# Altium PCB S3220A.PcbDoc (part 3 of 3) (continued)
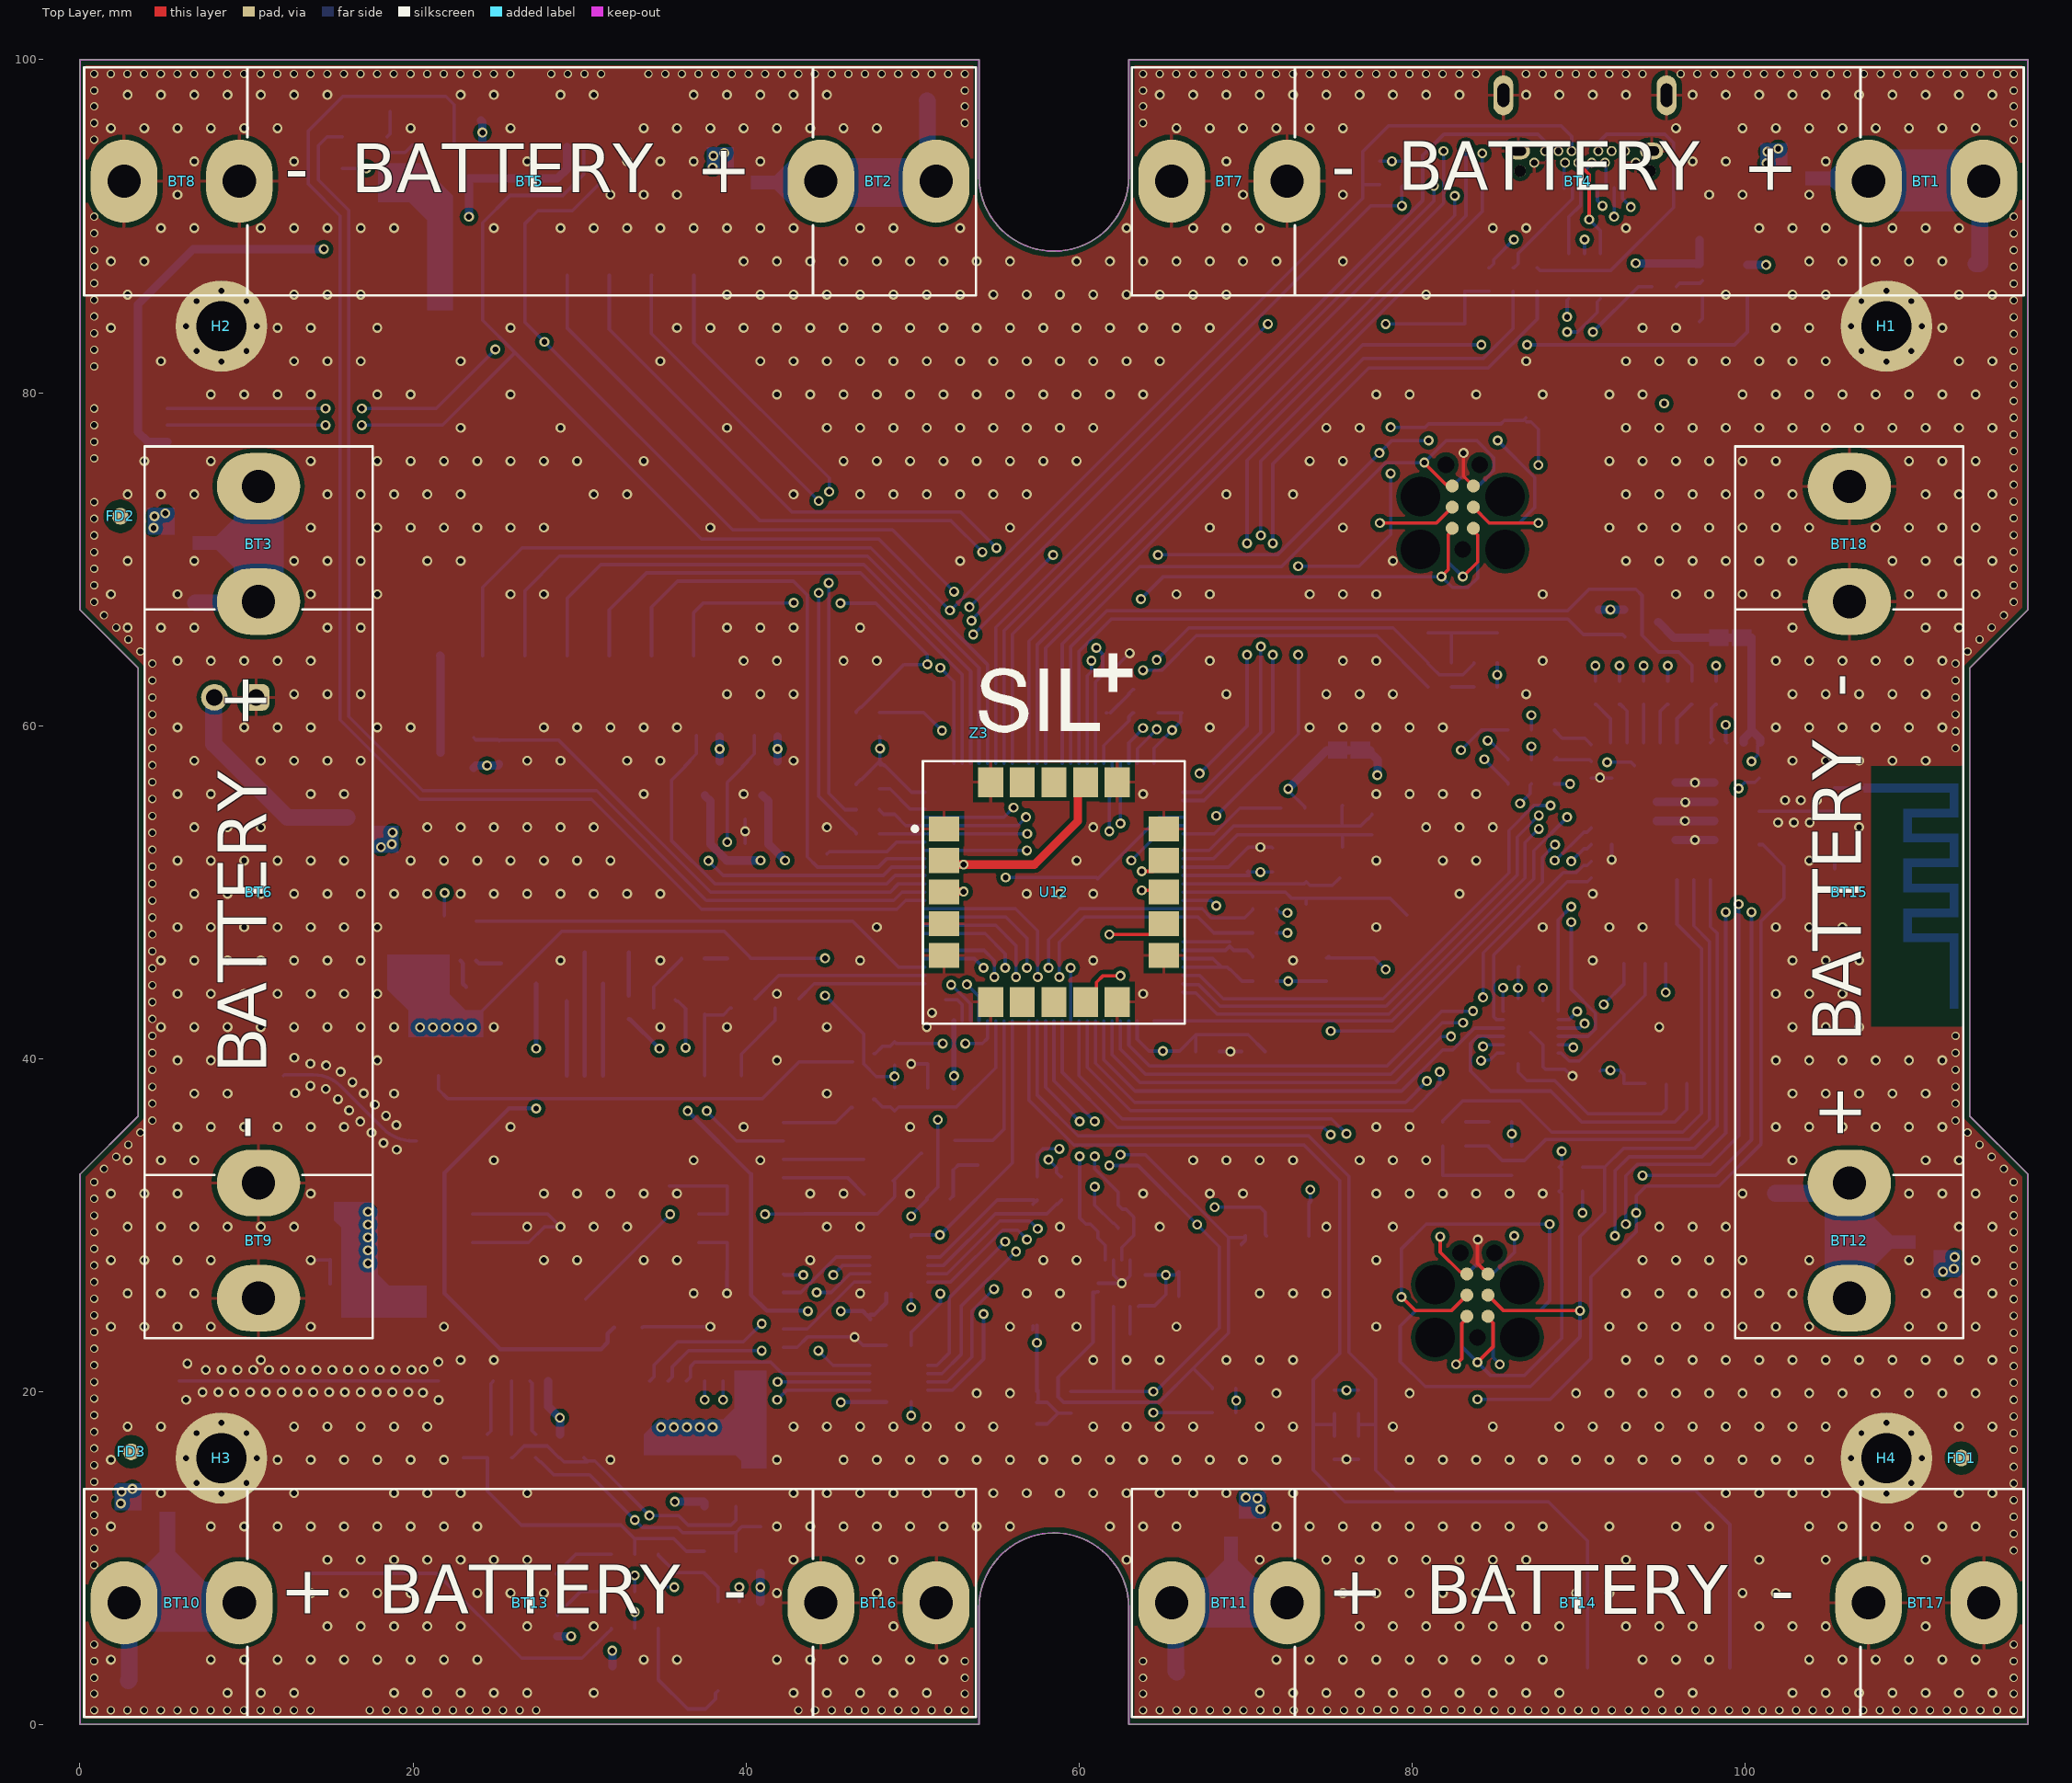
[diagram p0: Top Layer view]
## Nets (pads, with @x,y where several pads share a name; then routed paths per layer and width w, separated by ;. In a path a pad name is that pad's centre, name@x,y a point inside that pad or via, vN(x,y) a via of type N, cw(c..) or ccw(c..) an arc to the next point about the centre after c; other vN are vias at no path point) (continued)
  Bottom Layer w0.2: U3.41@57,42.262 57,37.5 59.7,34.8 73.525,34.8 75.675,32.65 75.675,22.3 74.075,20.7 74.075,18 ; C10.2@75.35,17.325 75.35,18 ; R9.1@75.35,18.675 75.35,18 ; CN6.1@90.55,3.4 90.55,11.025 88.2,13.375 75.975,13.375 74.075,15.275 74.075,18 ; 74.075,18 75.35,18
nRESET: CN12.3 PB4.2 R66.1 U11.19 | length 60.3
  Top Layer w0.2: CN12.3@84.57,25.79 85.51,24.85 v1(90.1,24.85)
  Bottom Layer w0.2: CN12.3@83.3,25.79 82.36,24.85 80.225,24.85 79.3,23.925 79.3,21.8 80.8,20.3 PB4.2@81.85,20.3 PB4.2@86,20.3 87.125,20.3 90.1,23.275 v1(90.1,24.85) 90.1,29.3 91.575,30.775 91.575,33.475 92.7,34.6 96.975,34.6 98.35,35.975 98.35,47.5 97.925,47.925 U11.19@97.925,50.725 ; R66.1@90.25,33.475 91.525,33.475
nRESET_BG95: Q14.3 U7.17 | length 4.9
  Bottom Layer w0.2: U7.17@39.725,38.975 39.725,40.275 41.75,42.3 Q14.3@41.75,43.025
nRST_CPU: C11.2 CN7.3 PB1.2 U3.14 | length 60.9
  Top Layer w0.2: CN7.3@83.695,73.125 84.645,72.175 v1(87.6,72.175)
  Internal 1 w0.2: v1(73.175,64.25) v1(73.175,69.575) ; v1(78.725,75.15) v1(78.725,77.925) ; v1(87.6,72.175) v1(87.6,75.65)
  Internal 2 w0.2: v1(68.25,49.175) v1(68.25,54.575)
  Bottom Layer w0.2: U3.14@66.238,49.5 67.925,49.5 v1(68.25,49.175) ; v1(68.25,54.575) 73.175,59.5 v1(73.175,64.25) ; v1(73.175,69.575) 76.825,69.575 78.725,71.475 78.725,72.175 ; v1(78.725,75.15) 78.725,72.175 ; v1(78.725,77.925) 80.8,77.925 PB1.2@81,78.125 PB1.2@85.15,78.125 85.35,78.125 85.55,78.325 86.675,78.325 C11.2@86.738,78.388 ; CN7.3@82.425,73.125 81.475,72.175 78.725,72.175 ; C11.2@86.85,78.5 C11.2@86.738,78.388 ; v1(87.6,75.65) 87.6,77.8 87.15,78.25 86.875,78.25 C11.2@86.738,78.388
PON_TRIG_BG95: Q15.3 R49.1 U7.96 | length 24.4
  Internal 1 w0.2: v1(35.45,30.65) v1(41.15,30.65)
  Bottom Layer w0.2: U7.96@30.375,25.55 35.45,30.625 v1(35.45,30.65) ; v1(41.15,30.65) 43.5,30.65 43.525,30.675 47.9,30.675 48.925,31.7 R49.1@48.925,32.6 ; R49.1@48.838,32.638 49.175,32.975 50.5,34.3 Q15.3@50.55,34.3
PSM_IND_BG95: Q13.1 U7.1 | length 26.9
  Bottom Layer w0.2: U7.1@21.525,38.975 21.525,38.15 22.075,37.6 41,37.6 43.2,39.8 Q13.1@46.425,39.8
QWIIC_PWR_CTRL: Q8.1 R5.1 U3.62 | length 88.5
  Bottom Layer w0.2: Q8.1@22.475,94.875 22.475,96.35 22.475,97.3 21.975,97.8 15.8,97.8 13.725,95.725 13.725,92.525 15.625,90.625 15.625,60.35 20.4,55.575 30.725,55.575 37.325,48.975 49.075,48.975 49.6,49.5 U3.62@50.762,49.5
QWIIC_VDD: CN3.2 CN4.2 Q8.3 | length 41.5
  Internal 1 w0.5: v1(14.65,88.625) 21.425,88.625 v1(23.363,90.563)
  Bottom Layer w0.5: CN4.2@5.25,77.05 4.075,77.05 3.475,77.65 3.475,85.3 6.8,88.625 v1(14.65,88.625) v1@14.675,88.625 ; v1@23.375,90.563 Q8.3@23.375,92.875 28.675,92.875 29.25,93.45 CN3.2@29.25,94.75
RTS_BG95: U7.37 U8.5 | length 13.6
  Internal 1 w0.2: v1(40.95,22.45) v1(44.35,22.45)
  Bottom Layer w0.2: U7.37@35.325,20.625 35.575,20.875 35.575,21.217 35.575,21.475 36.55,22.45 v1(40.95,22.45) ; v1(44.35,22.45) 45.224,21.576 U8.5@47.427,21.576
RXD_BG95: U7.34 U8.2 | length 10.1
  Internal 1 w0.2: v1(38.625,19.5) v1(41.875,19.5)
  Bottom Layer w0.2: v1@38.625,19.525 U7.34@38.625,20.625 ; v1(41.875,19.5) 42.451,20.076 U8.2@47.427,20.076
RXD_GNSS_BG95: U7.28 U9.5 | length 6.1
  Bottom Layer w0.2: U7.28@42.25,25.95 43.3,25.95 45.426,28.076 U9.5@47.427,28.076
STATUS_BG95: Q11.1 U7.20 | length 4.5
  Bottom Layer w0.2: U7.20@42.25,36.15 45.399,36.15 46.299,37.05 Q11.1@46.375,37.05
SWDCLK: CN12.4 U11.11 | length 63.6
  Top Layer w0.2: v1@79.4,25.675 80.225,24.85 82.36,24.85 CN12.4@83.3,25.79
  Internal 1 w0.2: v1(88.275,30.05) v1(92.85,30.05) ; v1(99.625,49.275) v1(99.625,56.225)
  Bottom Layer w0.2: v1(79.375,25.675) 79.35,25.7 79.375,25.725 79.375,28.575 80.85,30.05 v1@88.25,30.05 ; CN12.4@84.57,25.79 85.51,24.85 87.675,24.85 88.275,25.45 88.275,29.975 v1@88.275,30 ; v1@88.25,30.025 v1(88.275,30.05) ; v1(92.85,30.05) 92.85,32.95 93.55,33.65 97.925,33.65 99.625,35.35 v1(99.625,49.275) ; v1(99.625,56.225) 100,56.6 100.6,56.6 U11.11@100.85,56.85
SWDCLK_CPU: CN7.4 U3.76 | length 63.5
  Top Layer w0.2: v1(51.675,63.475) v1@51.775,63.375 ; v1(78.075,72.175) 81.475,72.175 CN7.4@82.425,73.125
  Internal 1 w0.2: v1(58.45,70.25) v1(64.75,70.25) ; v1(78.05,76.375) 78.05,72.2 v1(78.075,72.175) ; v1(81,77.125) v1(85.15,77.125)
  Internal 2 w0.2: v1(51.675,63.475) v1@53.65,65.45
  Bottom Layer w0.2: v1(51.675,63.475) 52.5,62.65 U3.76@52.5,57.738 ; v1@53.675,65.475 v1(58.45,70.25) ; v1@64.925,70.275 71.95,70.275 v1(78.05,76.375) ; v1@78.045,76.375 78.795,77.125 v1(81,77.125) ; CN7.4@83.695,73.125 84.645,72.175 86.45,72.175 87.375,73.1 87.375,74.9 v1(85.15,77.125)
  other v1: 53.65,65.475
SWDIO: CN12.2 R67.1 U11.15 | length 62.1
  Top Layer w0.2: v1(82.65,21.625) 83,21.975 83,24.084 83.3,24.384 CN12.2@83.3,24.414
  Internal 1 w0.2: v1(82.65,21.625) 83.325,20.95 83.935,20.95 ; v1(83.935,19.525) 83.935,20.95 ; v1(85.275,21.625) 84.6,20.95 83.935,20.95 ; v1(90.25,30.725) v1(93.475,30.725)
  Bottom Layer w0.2: v1(83.935,19.525) 88.3,19.525 90.75,21.975 90.75,26.875 93.475,29.6 v1(93.475,30.725) 93.475,31.75 94.075,32.35 98.45,32.35 100.975,34.875 100.975,48.25 102.35,49.625 102.35,51.575 101.075,52.85 U11.15@100.85,52.85 ; CN12.2@84.57,24.414 84.875,24.109 84.875,22.05 85.275,21.65 v1(85.275,21.625) ; v1(90.25,30.725) R67.1@90.25,32.025
SWDIO_CPU: CN7.2 U3.72 | length 48.5
  Top Layer w0.2: v1(81.775,68.95) 82.175,69.35 82.175,71.446 CN7.2@82.425,71.696
  Internal 2 w0.2: v1(56.075,55.075) 56.075,58.175 63.725,65.825 v1(63.725,67.6)
  Bottom Layer w0.2: U3.72@50.762,54.5 55.5,54.5 v1(56.075,55.075) ; v1(63.725,67.6) 65.075,68.95 v1(81.775,68.95) 82.425,68.3 83.375,68.3 83.945,68.87 83.945,71.446 CN7.2@83.695,71.696
SWO: CN12.6 U11.8 | length 54.4
  Top Layer w0.2: v1(81.7,29.3) 81.7,28.375 82.903,27.172 83.188,27.172 CN12.6@83.3,27.06
  Internal 1 w0.2: v1(81.7,29.3) 82.425,30.025 85.475,30.025 v1(86.15,29.35) v1(92.2,29.35) ; v1(98.85,48.8) v1(98.85,60.05)
  Bottom Layer w0.2: CN12.6@84.57,27.06 84.682,27.172 84.967,27.172 86.17,28.375 v1@86.17,29.325 ; v1(92.2,29.35) 92.2,33.25 93.05,34.1 97.425,34.1 98.85,35.525 v1(98.85,48.8) ; v1(98.85,60.05) 98.85,59.05 U11.8@98.925,58.975
SWO_CPU: CN7.6 U3.89 | length 43.3
  Top Layer w0.2: v1@80.725,75.8 v1(80.75,75.8) 80.75,75.775 82.018,74.507 82.313,74.507 CN7.6@82.425,74.395
  Bottom Layer w0.2: U3.89@59,57.738 59,64.9 63.65,69.55 72.175,69.55 78.425,75.8 v1(80.75,75.8) 82.075,77.125 83.9,77.125 84.925,76.1 84.925,75.325 84.107,74.507 83.807,74.507 CN7.6@83.695,74.395
TXD_BG95: U7.35 U8.3 | length 11.5
  Internal 1 w0.2: v1(37.525,19.5) 38.6,20.575 v1(41.9,20.575)
  Bottom Layer w0.2: v1(37.525,19.5) U7.35@37.525,20.625 ; v1(41.9,20.575) 47.376,20.575 47.401,20.55 U8.3@47.427,20.576
TXD_GNSS_BG95: U7.27 U9.4 | length 5.4
  Internal 1 w0.2: v1(43.45,27) v1(45.25,27)
  Bottom Layer w0.2: U7.27@42.25,27.05 42.3,27 v1(43.45,27) ; v1(45.25,27) 45.826,27.576 U9.4@47.427,27.576
USB_C_DM: CN2.A7 CN2.B7 U1.6 | length 7.7
  Top Layer w0.2: CN2.B7@89.998,93.752 90.65,93.1 v1(90.65,90.4)
  Internal 2 w0.2: CN2.B7@89.998,93.752 CN2.B7@89.998,93.815
  Bottom Layer w0.2: v1@90.648,90.575 CN2.A7@90.648,92.29 ; v1(90.65,90.4) 91.325,89.725 U1.6@91.325,88.35
USB_C_DP: CN2.A6 CN2.B6 U1.4 | length 6
  Bottom Layer w0.2: U1.4@89.425,88.35 89.425,90.55 90.148,91.273 CN2.A6@90.148,92.29 90.148,93.098 90.798,93.748 CN2.B6@90.798,93.815
USB_DM: R14.1 R69.1 U1.1 | length 28
  Internal 1 w0.2: v1(87.175,60.625) 89.325,62.775 v1@89.325,83.625
  Bottom Layer w0.2: R14.1@87.175,59.75 v1(87.175,60.625) ; v1(89.325,83.65) 89.95,83.65 91.125,84.825 91.125,85.108 91.125,85.45 U1.1@91.325,85.65
USB_DP: R15.1 R70.1 U1.3 | length 29.4
  Internal 1 w0.2: v1(87.175,58.75) 89.875,61.45 89.875,83.975 89.325,84.525 v1(89.325,84.55)
  Bottom Layer w0.2: R15.1@87.175,58 R15.1@87.175,57.95 87.175,58.85 v1(87.175,58.75) ; v1(89.325,84.55) 89.325,85.5 89.3,85.525 U1.3@89.425,85.65
USB_INT: R11.1 U3.4 | length 26.9
  Internal 2 w0.2: v1@51.775,59.75 v1(51.775,59.7) 51.775,58.35 55.6,54.525 v1(55.6,50.875)
  Bottom Layer w0.2: R11.1@48.025,60.8 50.675,60.8 v1(51.775,59.7) ; v1@55.637,50.912 v1(55.6,50.875) 61.05,50.875 61.125,50.8 64.825,54.5 U3.4@66.238,54.5
USB_VBUS: R1.2 R13.1 R68.1 | length 36.3
  Internal 1 w0.2: v1(86.5,55.325) 86.5,56.75 90.425,60.675 90.425,83.2 v1(90.875,83.65)
  Bottom Layer w0.2: v1(86.5,55.325) 87.092,55.917 87.092,56.417 R13.1@87.175,56.5 ; v1(90.875,83.65) 93.6,86.375 R1.2@94.425,86.375
USIM_VDD: C29.2 C30.2 CN10.C1 R39.1 U5.C1 U6.1 U7.43 | length 39.5
  Internal 1 w0.5: v1(28.825,18.425) 28.825,13.325 ; v1(31.975,4.425) 30.375,4.425 v1(29.5,5.3) 29.5,5.327 28.825,6.002 28.825,13.325 ; v1(35.725,13.375) v1@35.74,13.375 ; v1(40.865,8.25) v1@35.74,13.375 ; 28.825,13.325 28.875,13.375 v1@35.74,13.375
  Bottom Layer w0.2: C30.2@40.865,9.09 C30.2@40.9,9.125
  Bottom Layer w0.5: U7.43@28.125,20.625 28.125,19.1 28.825,18.4 R39.1@28.825,17.425 ; CN10.C1@28.675,5.3 v1(29.5,5.3) ; C29.2@31.975,3.5 v1(31.975,4.425) ; v1(35.725,13.375) 37.45,13.375 37.5,13.325 U6.1@37.5,13.1 ; U5.C1@40.865,7.375 v1(40.865,8.25) C30.2@40.865,9.09
VBUS_AIN: M1.9 R10.1 R11.2 R12.2 TP3.1 U3.36 | length 93.6
  Top Layer w0.2: v1(42.875,67.375) v1@42.888,67.363 ; v1@45.663,67.363 v1(45.675,67.35)
  Internal 1 w0.2: v1@42.888,67.363 v1@45.663,67.363 ; v1(71.35,84.125) v1(78.425,84.125)
  Internal 2 w0.2: v1@53.646,66.421 50.875,63.65 50.875,58.3 55,54.175 55,49.95 v1(59.5,45.45)
  Bottom Layer w0.2: M1.9@36.87,64.19 36.87,66.795 37.45,67.375 v1(42.875,67.375) ; v1(45.675,67.35) 47.8,67.35 50.9,64.25 v1(50.9,63.675) ; R11.2@46.625,60.8 46.625,60.85 46.875,61.1 46.925,61.1 49.5,63.675 v1(50.9,63.675) ; v1@50.875,63.65 v1(50.9,63.675) ; v1@53.55,66.325 v1(71.35,84.125) ; U3.36@59.5,42.262 v1(59.5,45.45) ; v1(78.425,84.125) TP3.1@83.175,84.125 R12.2@83.175,86.1 R10.1@84.625,86.1
  other v1: 53.55,66.3
VBUS_C: C8.2 CN2.A4 CN2.A9 CN2.B4 CN2.B9 R1.1 R2.1 R10.2 U1.5 U2.6 | length 27.9
  Internal 2 w0.2: v1(86.125,89.2) v1(90.375,89.2)
  Internal 2 w0.5: CN2.B9@89.198,93.815 89.198,92.675 ; CN2.B4@91.598,93.815 91.648,93.765 91.598,93.715 91.598,93.098 91.175,92.675 89.198,92.675 ; v1(93.448,87.775) 91.8,87.775 89.198,90.377 89.198,92.675
  Bottom Layer w0.2: R10.2@84.625,87.5 84.662,87.5 84.912,87.75 84.912,87.987 v1(86.125,89.2) ; CN2.A4@89.148,92.29 89.148,93.765 CN2.B9@89.198,93.815 ; U1.5@90.375,88.35 v1(90.375,89.2) ; CN2.B4@91.598,93.815 91.648,93.765 CN2.A9@91.648,92.29
  Bottom Layer w0.5: v1(93.448,87.775) R1.1@94.425,87.775 97.025,87.775 97.075,87.725 97.275,87.725 C8.2@97.275,89.175
VBUSC_PWR_CTRL: U2.3 U3.5 | length 66.2
  Internal 1 w0.2: v1(70.1,64.25) v1(70.1,70.95) ; v1(84.175,82.875) v1(86.925,82.875)
  Internal 2 w0.2: v1(63.15,51.9) 63.15,53.025 v1(67.25,57.125)
  Bottom Layer w0.2: v1(63.15,51.9) 65.25,54 U3.5@66.238,54 ; v1(67.25,57.125) 70.1,59.975 v1(70.1,64.25) ; v1(70.1,70.95) 70.1,75.925 77.05,82.875 v1(84.175,82.875) ; v1(86.925,82.875) 99.375,82.875 100.15,83.65 U2.3@100.15,85.775
VCC_M1: C28.2 M1.2 R28.1 U4.6
VDD: C17.2 C18.2 C19.2 C20.2 C21.2 C22.2 C23.2 C24.2 C25.2 C26.2 C55.1 C56.2 C57.1 C58.1 C59.2 C60.2 CN7.1 FB1.2 Q1.2 Q2.2 Q3.2 Q4.2 Q5.2 Q6.2 Q7.2 Q8.2 Q9.2 Q16.2 Q17.2 Q18.2 R3.2 R5.2 R6.2 R7.2 R8.2 R9.2 R18.2 R22.1 R23.1 R24.2 R26.2 R52.2 R53.2 R56.2 R71.1 R72.2 R73.2 R74.1 TP1.1 U2.1 U3.11 U3.28 U3.50 U3.75 U3.100 U4.1 U10.1 U13.8 U14.2 U14.5 U14.6 U14.8 U15.1 U15.14 U16.16 U17.3 U17.7 U17.8 Z1.1 Z1.2 | length 97.7
  Top Layer w0.2: v1@83.07,68.95 83.945,69.825 83.945,71.446 CN7.1@83.695,71.696
  Bottom Layer w0.2: U4.1@15.75,93.475 v1@17.225,93.475 ; U10.1@21.9,48.575 v1(21.9,49.95) ; R18.2@46.625,56.45 46.625,56.5 46.875,56.75 46.925,56.75 48.025,57.85 C24.2@48.025,57.9 ; C23.2@48.025,59.35 48.05,59.325 48.05,57.85 C24.2@48.25,57.65 ; C24.2@48.05,57.65 C24.2@48.25,57.65 ; C24.2@48.3,57.6 C24.2@48.25,57.65 ; C24.2@48.3,57.65 C24.2@48.25,57.65 ; C24.2@48.325,57.625 48.35,57.6 49.95,56 U3.75@50.762,56 ; C55.1@57.225,23.7 57.25,23.725 C55.1@57.25,23.95 ; U14.8@57.475,18.05 58.1,18.05 58.75,18.7 ; U14.6@57.475,19.35 57.55,19.425 U14.5@57.55,20 ; C55.1@57.475,23.975 57.475,23.775 57.475,22.2 57.475,20.075 U14.5@57.475,20 U14.5@57.55,20.075 ; U14.6@57.55,19.35 58.1,19.35 58.75,18.7 ; U14.2@59.525,18.7 58.75,18.7 ; v1(60.95,32.3) R71.1@60.95,31.25 60.95,31.2 62.05,30.1 62.1,30.1 62.35,29.85 R74.1@62.35,29.8 ; U3.28@63.5,42.262 63.5,41.15 64.2,40.45 66.05,40.45 67.025,41.425 ; U15.1@63.576,25.1 63.626,25.15 64.55,25.15 65.225,25.825 v1(65.225,26.999) ; U15.14@63.975,26.999 v1(65.225,26.999) ; U3.100@64.5,57.738 64.512,57.75 64.512,58.637 66.117,60.242 66.117,60.717 C26.2@66.175,60.775 ; C25.2@64.75,60.775 C26.2@66.2,60.775 ; C57.1@66,25.725 C60.2@66,27.2 65.799,26.999 v1(65.225,26.999) ; U3.11@66.238,51 C17.2@70.225,51 ; C19.2@67.025,40.425 67.025,41.425 ; R72.2@69.425,18.725 R73.2@69.425,20.175 ; C17.2@70.125,51.2 C17.2@70.175,51.25 ; C17.2@70.175,51.2 C18.2@71.625,51.2 ; C20.2@71.175,40.425 70.175,41.425 67.025,41.425 ; FB1.2@71.85,44.65 v1(72.575,44.65) R3.2@74.875,44.65 ; v1(72.575,56.2) 72.575,56.1 73.575,55.1 R22.1@73.575,55.05 ; U13.8@73.805,29.35 73.805,31.332 C56.2@73.948,31.475 ; C56.2@73.9,31.35 v1(73.9,32.125) ; R9.2@75.35,20.075 R8.2@76.8,20.075 ; R7.2@78.075,93.9 R6.2@79.525,93.9 ; CN7.1@82.425,71.855 82.425,71.696 82.175,71.446 82.175,69.825 v1@83.05,68.95 ; R24.2@85.125,62.325 R23.1@85.125,63.775 ; U16.16@86.375,43.625 v1(86.375,44.25) 86.375,45.475 C58.1@86.425,45.525 ; C59.2@91.307,39.243 91.363,39.3 v1@91.875,39.3 ; v1(91.925,39.3) 92.475,39.3 92.725,39.05 U17.8@92.725,38.5 U17.7@94,38.5 ; v1@95.25,43.95 U17.3@95.25,45.7
  Bottom Layer w0.3: C21.2@52.5,38.225 U3.50@52.5,42.262
  Bottom Layer w0.5: Q9.2@23.65,57.475 23.775,57.6 25.1,57.6 R26.2@25.175,57.675 ; R5.2@24.075,96.35 24.175,96.25 24.175,94.975 Q8.2@24.275,94.875 ; Q17.2@38.425,57.85 R53.2@38.425,59.35 ; Q16.2@41.9,57.85 R52.2@41.9,59.35 ; v1(72.575,56.2) 74.9,58.525 Z1.2@74.95,58.525 Z1.1@77.5,58.525 77.5,58.39 77.944,57.946 77.944,57.044 v1(77.925,57.025) ; R56.2@91.225,66.975 v1(91.925,66.975) Q18.2@92.75,66.975 ; U2.1@100.15,87.675 v1(101.275,87.675)
  other v1: 70.9,12.925 2.45,13.275 70.725,13.575 70.025,13.625 2.5,13.975 3.15,14.15 69.45,19.45 76.075,20.075 57.475,22.925 111.9,27.2 112.55,27.375 112.6,28.075 52.5,38.95 65.05,40.45 95.25,43.975 70.9,51.2 18.075,52.7 18.725,52.875 18.775,53.575 24.45,57.6 38.425,58.6 41.9,58.6 48.05,58.625 65.6,59.725 85.125,63.05 83.06,68.95 4.425,71.875 4.475,72.575 5.125,72.75 95.15,79.35 17.2,93.475 38,93.525 101.3,93.775 78.8,93.9 38.05,94.225 38.7,94.4 101.35,94.475 102,94.65 24.175,95.625
VDD_BLE: C53.2 C54.2 CN12.1 Q18.3 R61.1 R62.2 R66.2 R67.2 U11.9 U11.10 Z2.1 Z2.2 | length 79.6
  Top Layer w0.2: v1(83.935,21.75) 84.875,22.69 84.875,24.109 84.57,24.414 CN12.1@84.57,24.52
  Internal 1 w0.2: v1(86,35.475) 87.05,34.425 v1(89,34.425) 92.4,34.425 v1(93.85,32.975) ; v1(100.4,48.8) v1(100.4,57.85)
  Bottom Layer w0.2: CN12.1@83.3,24.52 83.3,24.414 82.995,24.109 82.995,22.69 v1(83.935,21.75) 84.71,20.975 86.775,20.975 89,23.2 89,31.875 R67.2@88.85,32.025 88.975,32.15 88.975,33.35 R66.2@88.85,33.475 89,33.625 v1(89,34.425) ; R61.1@86,34.75 v1(86,35.475) R62.2@86,36.2 ; v1(93.85,32.975) 98.25,32.975 100.4,35.125 v1(100.4,48.8) ; v1(100.4,57.85) 100.767,58.217 100.767,58.817 U11.10@100.925,58.975
  Bottom Layer w0.5: Q18.3@94.8,66.225 95.75,65.275 Z2.1@97.85,65.275 98.438,65.275 99.813,65.275 Z2.2@100.4,65.275 C53.2@100.4,62.775 C54.2@100.4,61.325 100.4,59.65 ; U11.9@99.925,58.975 99.925,59.2 100.375,59.65 100.4,59.65 ; U11.10@100.925,58.975 100.925,59.2 100.475,59.65 100.4,59.65
VDD_EXT: C44.1 R40.1 U7.29 U8.1 U9.1 | length 37.4
  Internal 1 w0.25: v1(34.8,40.6) 34.8,38.55 v1(36.5,36.85) ; v1(43.725,24.825) v1(45.7,24.825) ; v1(45.7,19.35) v1@45.7,24.75
  Bottom Layer w0.25: R40.1@32.975,42.375 33.025,42.375 v1(34.8,40.6) ; v1(36.5,36.85) 40.3,33.05 40.3,25.8 41.25,24.85 U7.29@42.25,24.85 v1@43.725,24.85 ; v1(45.7,19.35) U8.1@48.425,19.35 ; v1(45.7,24.825) 47.025,24.825 47.25,24.6 47.475,24.375 C44.1@47.475,24.325 ; C44.1@47.475,24.6 47.7,24.6 48.425,25.325 U9.1@48.425,25.875
VDD_M1: M1.15 Q9.3 | length 5.8
  Bottom Layer w0.5: M1.15@21.635,64.19 21.65,64.175 Q9.3@21.65,58.375
VDD_MODEM: C31.2 C32.2 C33.1 C34.2 C35.2 C39.2 C40.2 C41.1 C42.2 C43.2 C45.1 C48.2 D3.1 R44.1 R45.2 R47.1 R48.2 U7.32 U7.33 U7.52 U7.53 U8.14 U9.14 U10.6 | length 69.3
  Internal 1 w0.2: v1(44.75,43.775) v1(44.75,46.025) ; v1(48.925,38.925) v1(51.525,36.325) ; v1(49.925,18.55) v1(49.925,25.05) v1(49.925,30.525)
  Bottom Layer w0.2: C45.1@18.95,45.7 C48.2@20.4,45.7 21.725,45.7 U10.6@21.9,45.875 21.9,44.4 R48.2@21.8,44.3 21.8,42.592 21.917,42.475 23.775,42.475 28.95,47.65 38.7,47.65 40.275,46.075 D3.1@40.275,46.025 v1(44.75,46.025) ; U7.32@40.825,20.625 40.825,19.232 40.743,19.15 40.743,18.232 40.86,18.115 ; v1@44.775,43.775 47.075,41.475 47.075,39.675 47.825,38.925 v1(48.925,38.925) ; R44.1@48.925,38.25 v1(48.925,38.925) ; R47.1@48.925,39.6 v1(48.925,38.925) ; v1(49.925,18.55) U8.14@49.925,19.375 ; v1(49.925,25.05) U9.14@49.925,25.875 ; v1(49.925,30.525) 49.925,30.575 50.875,31.525 R45.2@50.875,31.575 50.875,31.625 51.525,32.275 v1@51.525,36.275
  other v1: 34.9,17.85 35.675,17.85 36.45,17.85 37.225,17.85 38,17.85 17.3,27.7 17.3,28.475 17.3,29.25 17.3,30.025 17.3,30.8 20.425,41.875 21.2,41.875 21.975,41.875 22.75,41.875 23.525,41.875
pads on no net: CN2. CN2.A2 CN2.A3 CN2.S1@85.498,97.865 CN2.S2@95.298,97.865 CN2.S3@86.398,94.515 CN2.S4@94.398,94.515 CN3.0 CN4.0 CN5.0 CN6.0 CN7.0 CN10.C6 CN12.0 FD1.0 FD2.0 FD3.0 H1. H2. H3. H4. U3.3 U3.7 U3.17 U3.18 U3.42 U3.51 U3.57 U3.84 U3.88 U5.C4 U5.C6 U5.C8 U5.NC U6.5 U7.2 U7.4 U7.5 U7.6 U7.7 U7.11 U7.12 U7.13 U7.14 U7.16 U7.18 U7.19 U7.24 U7.25 U7.26 U7.39 U7.40 U7.41 U7.42 U7.51 U7.56 U7.57 U7.63 U7.64 U7.65 U7.66 U7.76 U7.77 U7.78 U7.83 U7.84 U7.85 U7.86 U7.87 U7.88 U7.92 U7.93 U7.94 U7.95 U7.97 U7.98 U7.99 U8.0 U8.6 U8.9 U9.0 U9.6 U9.9 U11.16 U11.17 U11.18 U11.22 U11.23 U11.24 U11.25 U11.27 U11.28 U11.29 U11.32 U11.33 U11.34 U11.35 U11.36 U11.37 U11.38 U11.39 U11.40 U11.41 U11.42 U11.43 U11.44 U11.45 U11.46 U11.51 U11.52 U12.7 U12.8 U12.18 U12.19 U15.3 U15.8 U15.13 U15.15 U15.16 Y1.2 Y1.4

## Polygon pours and split planes (outlines as drawn)
GND on Top Layer "Top GND" (solid, pour order 16): 0,0 54.001,0 54.001,7 cw(c58.501,7) 58.501,11.5 cw(c58.501,7) 63.001,7 63.001,0 117,0 117,33.054 113.502,36.552 113.498,63.448 117,66.95 117,100 63,100 63,93 cw(c58.5,93) 58.5,88.5 cw(c58.5,93) 54,93 54,100 0,100 0,66.95 3.5,63.45 3.5,36.55 0,33.05
GND on Internal 2 "Internal GND" (solid, pour order 18): 0,0 54.001,0 54.001,7 cw(c58.501,7) 58.501,11.5 cw(c58.501,7) 63.001,7 63.001,0 117,0 117,33.054 113.502,36.552 113.498,63.448 117,66.95 117,100 63,100 63,93 cw(c58.5,93) 58.5,88.5 cw(c58.5,93) 54,93 54,100 0,100 0,66.95 3.5,63.45 3.5,36.55 0,33.05
GND on Bottom Layer "Bottom GND" (solid, pour order 19): 0,0 54.001,0 54.001,7 cw(c58.501,7) 58.501,11.5 cw(c58.501,7) 63.001,7 63.001,0 117,0 117,33.054 113.502,36.552 113.498,63.448 117,66.95 117,100 63,100 63,93 cw(c58.5,93) 58.5,88.5 cw(c58.5,93) 54,93 54,100 0,100 0,66.95 3.5,63.45 3.5,36.55 0,33.05
VDD on Internal 1 "Internal VDD" (solid, pour order 17): 0,0 54.001,0 54.001,7 cw(c58.501,7) 58.501,11.5 cw(c58.501,7) 63.001,7 63.001,0 117,0 117,33.054 113.502,36.552 113.498,63.448 117,66.95 117,100 63,100 63,93 cw(c58.5,93) 58.5,88.5 cw(c58.5,93) 54,93 54,100 0,100 0,66.95 3.5,63.45 3.5,36.55 0,33.05

## Keep-outs
Keep-Out Layer:
  lines w0.1: 113.5,63.45 113.5,50 113.5,63.45 117,66.95 117,100 63,100 63,93 cw(c58.5,93) 58.5,88.5 cw(c58.5,93) 54,93 54,100 0,100 0,66.95 3.5,63.45 3.5,50 3.5,36.55 0,33.05 0,0 54.001,0 54.001,7 cw(c58.501,7) 58.501,11.5 cw(c58.501,7) 63.001,7 63.001,0 117,0 117,33.054 113.504,36.55 113.504,50

## Other copper
Internal 1:
  pour cut-out: 66.4,62.262 69.201,62.262 73.4,57.931 73.4,44.45 67.2,38.25 52.3,38.25 47.375,43.175 47.375,59.025 50.612,62.262 66.325,62.262 66.325,62.8 50.474,62.799 46.825,59.15 46.825,45.062 46.825,42.9 51.9,37.825 67.525,37.825 73.875,44.175 73.875,58.375 69.451,62.799 66.4,62.8
  region net VDD_MODEM: 24.2,42.4 19.738,42.4 19.738,33.988 16.798,31.048 16.798,27.2 21.425,27.2 31.9,16.725 38.725,16.725 38.725,18.95 35.85,18.95 24.2,30.6
Bottom Layer:
  region net NetBT1_1: 106.121,91.429 105.076,92.474 103.65,92.476 103.65,93.275 105.075,93.275 106.121,94.321 106.121,94.6 115.625,94.6 115.625,90.9 106.121,90.9
  region net VDD: 17.525,53.975 19.125,53.975 19.125,52.375 17.525,52.375
  region net VDD: 102.55,93.375 100.95,93.375 100.95,94.975 102.55,94.975
  region net VCC_M1: 17.925,91.45 17.925,93.775 20.425,93.775 22.375,91.825 22.375,84.95 20.875,84.95 20.875,90.35 19.775,91.45
  region net VDD_MODEM: 24.211,42.9 24.211,41.294 19.725,41.294 19.725,42.9 18.475,44.15 18.475,46.25 22.2,46.25 22.2,43.85 23.15,42.9
  region net VDD_MODEM: 20.825,26.35 20.825,24.45 15.7,24.45 15.7,29.85 15.275,30.275 15.275,31.375 17.425,31.375 17.875,30.925 17.875,27.05 18.575,26.35
  region net VDD_MODEM: 39.325,21.25 41.225,21.25 41.225,15.375 39.725,15.375 39.725,15.825 39.367,16.183 33.875,16.183 33.875,17.425 34.75,18.3 38.625,18.3 39.325,19
  region net NetBT12_1: 107.779,30.421 108.824,29.376 110.25,29.374 110.25,28.575 108.825,28.575 107.779,27.529 107.779,24.175 104.8,24.175 104.8,33.85 107.779,33.85
  region net VDD: 111.35,28.475 112.95,28.475 112.95,26.875 111.35,26.875
  region net NetBT2_1: 42.773,91.177 41.727,92.223 40.302,92.225 40.302,93.023 41.727,93.023 42.773,94.069 52.875,94.069 52.875,91.177
  region net VDD: 39.25,93.125 37.65,93.125 37.65,94.725 39.25,94.725
  region net NetBT3_1: 9.246,69.529 8.201,70.574 6.775,70.576 6.775,71.375 8.2,71.375 9.246,72.421 9.246,75.775 12.225,75.775 12.225,66.1 9.246,66.1
  region net VDD: 5.675,71.475 4.075,71.475 4.075,73.075 5.675,73.075
  region net VDD: 69.625,12.375 69.625,13.975 71.225,13.975 71.225,12.375
  region net VDD: 3.7,12.875 2.1,12.875 2.1,14.475 3.7,14.475
  region net NetBT10_1: 2.979,8.554 4.799,10.374 4.802,12.775 5.7,12.775 5.7,10.387 7.533,8.554 10.888,8.554 10.887,5.575 1.213,5.575 1.213,8.554
  region net NetBT11_1: 67.679,8.804 68.724,9.849 68.726,11.275 69.525,11.275 69.525,9.85 70.571,8.804 73.925,8.804 73.925,5.825 64.25,5.825 64.25,8.804
Multi-Layer:
  pour cut-out: 113.5,41.9 107.575,41.9 107.575,57.575 113.5,57.575

## Silkscreen, mask and mechanical layers (free items; w line width, h text height)
Top Overlay:
  text "-  BATTERY  +" at 75.175,91.2 h5
  text "-  BATTERY  +" at 12.3,91.05 h5
  text "-  BATTERY  +" at 12.175,35.125 h5 r90
  text "+  BATTERY  -" at 107.95,35.075 h5 r90
  text "+  BATTERY  -" at 12,5.7 h5
  text "+  BATTERY  -" at 74.925,5.675 h5
Bottom Overlay:
  lines w0.15: 76.4,61.15 76.4,81.725 88.675,81.725 88.675,61.15 76.4,61.15 ; 78.225,16.6 91.25,16.6 91.25,37.15 78.225,37.15 78.225,16.6
  lines w0.2: 13.225,15.45 13.225,17.675 14,18.45 17.325,18.45 17.325,15.45 13.225,15.45
  text "QWIIC" at 34.125,93.4 h2 r270
  text "USB C" at 97.175,93.25 h2 r270
  text "TP3" at 82.15,83.5 h2
  text "TP1" at 99.225,78.675 h2
  text "RST" at 77.8,77.375 h2 r270
  text "QWIIC" at 6.2,74.95 h2 r270
  text "MODULE M1" at 15.15,70.275 h2 r270
  text "Z2" at 99.9,66.325 h2
  text "CPU" at 77.775,64.025 h2 r270
  text "Z1" at 77.15,56.35 h2
  text "TP6" at 72.17,56.025 h2
  text "TP4" at 45.775,54.825 h2
  text "BATTERY" at 13.175,50.425 h2
  text "TP5" at 46.375,50 h2
  text "TP10" at 29.576,47.25 h2 r270
  text "TP11" at 31.001,47.25 h2 r270
  text "TP7" at 32.425,47.25 h2 r270
  text "BLE" at 106.925,46.275 h2
  text "TP8" at 26.75,45.4 h2 r270
  text "TP9" at 28.152,45.4 h2 r270
  text "TP2" at 82.7,44.6 h2
  text "LTE" at 7.45,37.375 h2 r270
  text "TP12" at 49.15,34.8 h2
  text "BLE" at 79.2,32.25 h2 r270
  text "TP13" at 49.35,29.9 h2
  text "GPS" at 1.225,18.825 h2 r270
  text "RST" at 79.15,17.525 h2 r270
  text "SIM" at 16.9,16.25 h2
  text "RELAY2" at 94.9,11.275 h2
  text "RELAY1" at 103.45,11.275 h2
Top Solder:
  region: 27.922,1.201 27.072,1.201 27.072,0.001 27.922,0.001
  rectangle: 16.878,0.001 17.728,1.201
  rectangle: 13.5,0 14.35,1.2
  rectangle: 42.625,0.001 43.475,1.201
  region: 63.001,4.225 63.001,3.375 64.201,3.375 64.201,4.225
  region: 52.801,4.225 52.801,3.375 54.001,3.375 54.001,4.225
  region: 0,73.8 0,72.95 1.2,72.95 1.2,73.8
  region: 1.2,78.5 1.2,79.35 0,79.35 0,78.5
  region: 0,76.6 0,75.75 1.2,75.75 1.2,76.6
  region: 28.85,100 28,100 28,98.8 28.85,98.8
  rectangle: 30.75,98.8 31.6,100
  region: 34.4,100 33.55,100 33.55,98.8 34.4,98.8
  region: 54,95.775 54,96.625 52.8,96.625 52.8,95.775
  region: 64.2,95.775 64.2,96.625 63,96.625 63,95.775
  region: 113.5,57.575 113.5,58.425 112.3,58.425 112.3,57.575
  region: 113.5,41.05 113.5,41.9 112.3,41.9 112.3,41.05
  region: 1.2,81.225 1.2,82.075 0,82.075 0,81.225
  rectangle: 25.3,98.8 26.15,100
  lines w1.2: 0.6,0.6 13.75,0.6 ; 0.6,99.4 25.55,99.4 ; 0.6,0.6 0.6,32.8 4.1,36.3 4.1,63.7 0.6,67.2 0.6,73.2 ; 0.6,76.35 0.6,78.75 ; 0.6,81.825 0.6,99.4 ; 17.478,0.601 27.325,0.601 ; 28.6,99.4 31,99.4 ; 34.15,99.4 53.4,99.4 53.4,96.375 ; 43.225,0.601 53.4,0.601 ; 53.401,0.6 53.401,3.625 ; 63.6,0.6 116.4,0.6 116.4,32.8 ; 63.6,96.375 63.6,99.4 ; 63.601,0.6 63.601,3.625 ; 112.9,41.3 112.9,36.3 116.4,32.8 ; 112.9,58.175 112.9,63.7 116.4,67.2 116.4,99.4 ; 63.6,99.4 116.4,99.4 63.6,99.4
  text "SIL" at 92.7,74.4 h2
  text "S3220A" at 91.375,72.45 h2
  text "2020" at 92.2,70.475 h2
Bottom Solder:
  region: 27.922,1.201 27.072,1.201 27.072,0.001 27.922,0.001
  rectangle: 16.878,0.001 17.728,1.201
  rectangle: 42.625,0.001 43.475,1.201
  region: 63.001,4.225 63.001,3.375 64.201,3.375 64.201,4.225
  region: 52.801,4.225 52.801,3.375 54.001,3.375 54.001,4.225
  region: 0,73.8 0,72.95 1.2,72.95 1.2,73.8
  region: 1.2,78.5 1.2,79.35 0,79.35 0,78.5
  region: 0,76.6 0,75.75 1.2,75.75 1.2,76.6
  region: 28.85,100 28,100 28,98.8 28.85,98.8
  rectangle: 30.75,98.8 31.6,100
  region: 34.4,100 33.55,100 33.55,98.8 34.4,98.8
  region: 54,95.775 54,96.625 52.8,96.625 52.8,95.775
  region: 64.2,95.775 64.2,96.625 63,96.625 63,95.775
  region: 113.5,41.05 113.5,41.9 112.3,41.9 112.3,41.05
  region: 113.5,57.575 113.5,58.425 112.3,58.425 112.3,57.575
  region: 115.8,18.85 115.8,18 117,18 117,18.85
  rectangle: 13.5,0 14.35,1.2
  region: 1.2,81.225 1.2,82.075 0,82.075 0,81.225
  rectangle: 25.3,98.8 26.15,100
  lines w1.2: 0.6,0.6 13.75,0.6 ; 0.6,99.4 25.55,99.4 ; 0.6,0.6 0.6,32.8 4.1,36.3 4.1,63.7 0.6,67.2 0.6,73.2 ; 0.6,76.35 0.6,78.75 ; 0.6,81.825 0.6,99.4 ; 17.478,0.601 27.325,0.601 ; 28.6,99.4 31,99.4 ; 34.15,99.4 53.4,99.4 53.4,96.375 ; 43.225,0.601 53.4,0.601 ; 53.401,0.6 53.401,3.625 ; 63.6,0.6 116.4,0.6 116.4,32.8 ; 63.6,96.375 63.6,99.4 116.4,99.4 116.4,67.2 112.9,63.7 112.9,58.175 ; 63.601,0.6 63.601,3.625 ; 112.9,41.3 112.9,36.3 116.4,32.8
  text "SIL" at 94.9,74.375 h2
  text "S3220A" at 96.4,72.425 h2
  text "2020" at 95.525,70.45 h2
Route Tool Path:
  lines w2: -0.707,33.757 2.5,36.964 2.5,49.993 ; -0.707,66.243 2.5,63.036 2.5,50 ; 55,100 55,93 ccw(c58.5,93) 58.5,89.5 ; 55.001,0 55.001,6.998 ; 62,100 62,93.002 ; 62.001,0 62.001,7 ccw(c58.501,7) 58.501,10.5 ; 117.707,33.761 114.504,36.964 114.504,63.04 117.707,66.243 ; 55.001,6.998 ccw(c54.001,7) 55.001,7 ; 55.001,6.998 ccw(c54.001,7) 55.001,7 ; 55.001,6.998 55.001,7 ; 55.001,7 cw(c58.501,7) 58.501,10.5 ; 58.5,89.5 ccw(c58.5,93) 62,93 ; 58.5,89.5 58.5,89.5 ; 58.501,10.5 58.501,10.5 ; 62,93 cw(c63,93) 62,93.002 ; 62,93 62,93.002

## Text inside footprints (layer, text, board x,y; h text height)
AN1: Mechanical 14 "Keep Clear" at 110.67,53.36 h1.52 r90
M1: Bottom Overlay "(PWM) IO6" at 36.335,76.815 h1.78 r270; Bottom Overlay "IO7   (AN)" at 36.335,66.705 h1.78 r270; Bottom Overlay "VCC" at 21.095,81.275 h1.78 r270; Bottom Overlay "GND" at 18.555,81.198 h1.78 r270; Bottom Overlay "(TXD) IO3" at 28.715,77.522 h1.78 r270; Bottom Overlay "(RXD) IO4" at 31.255,77.344 h1.78 r270; Bottom Overlay "(INT) IO5" at 33.795,78.142 h1.78 r270; Bottom Overlay "(SCL) IO2" at 26.175,77.608 h1.78 r270; Bottom Overlay "GND" at 18.555,66.705 h1.78 r270; Bottom Overlay "VDD" at 21.095,66.705 h1.78 r270; Bottom Overlay "IO12 (MOSI)" at 23.635,66.705 h1.78 r270; Bottom Overlay "IO10 (SCK)" at 28.715,66.705 h1.78 r270; Bottom Overlay "IO11 (MISO)" at 26.175,66.705 h1.78 r270; Bottom Overlay "IO9   (CS)" at 31.255,66.705 h1.78 r270; Bottom Overlay "IO8   (RST)" at 33.795,66.705 h1.78 r270; Bottom Overlay "(SDA) IO1" at 23.635,77.432 h1.78 r270